# Altium PCB PCB_gravure_x4.PcbDoc (part 2 of 3) (continued)
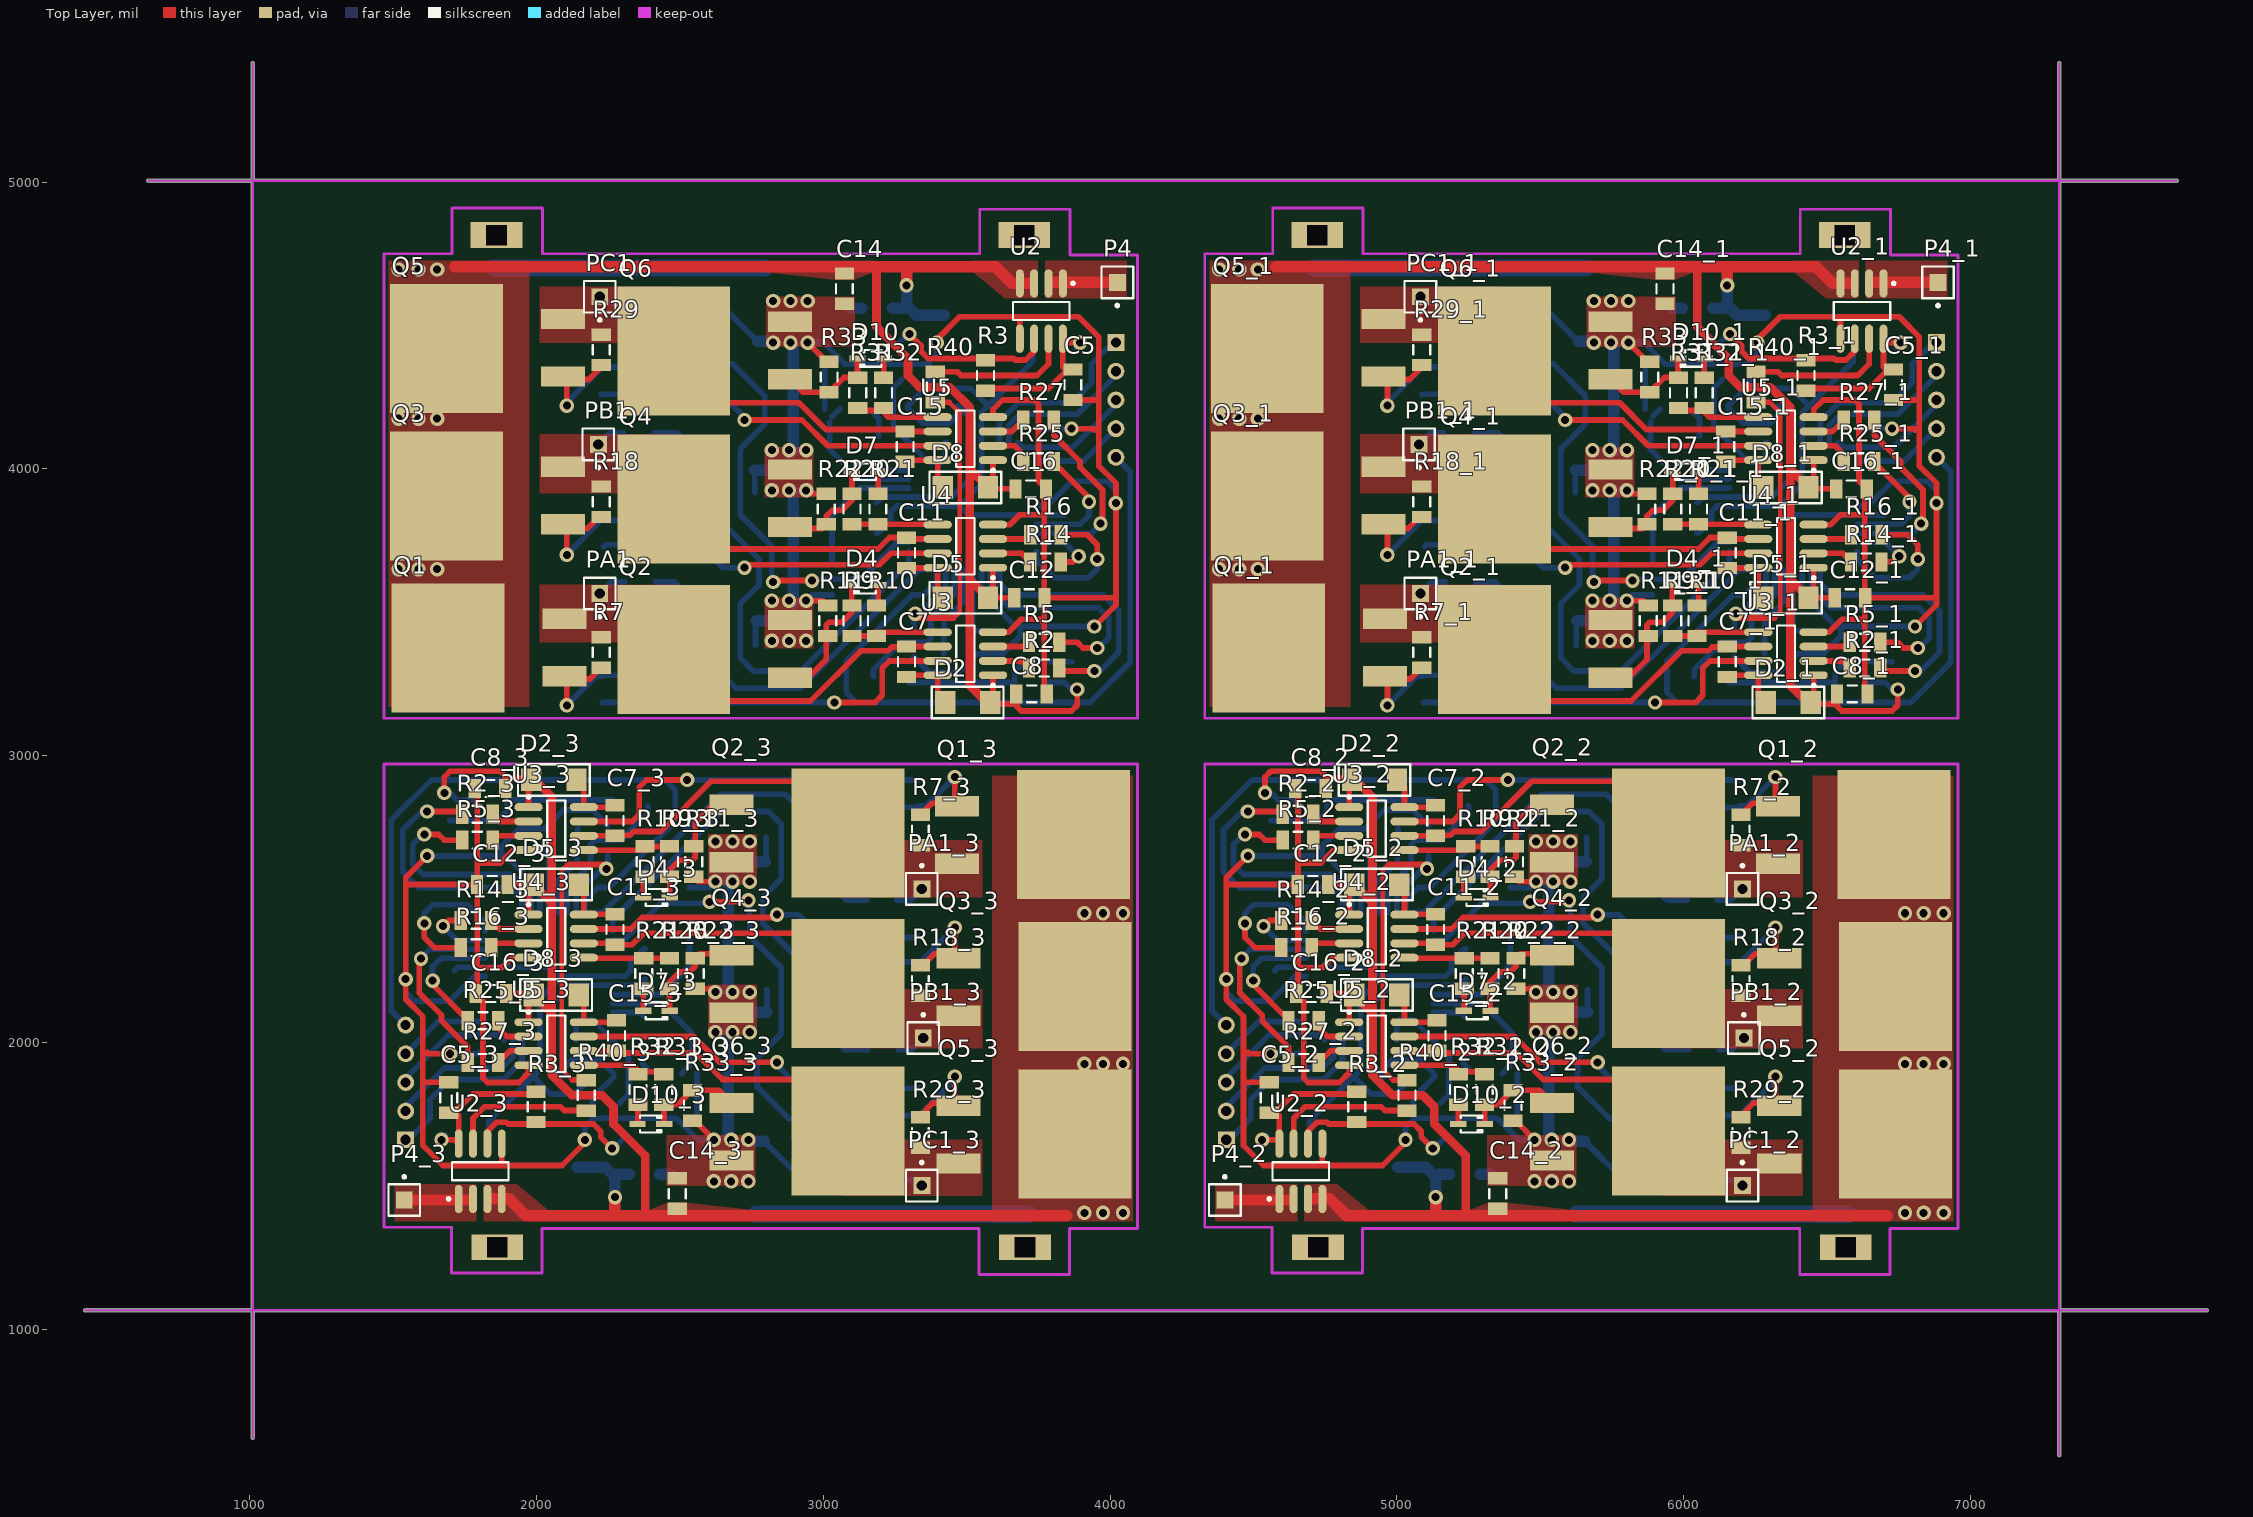
[diagram p0: Top Layer view]
## Nets (pads, with @x,y where several pads share a name; then routed paths per layer and width w, separated by ;. In a path a pad name is that pad's centre, name@x,y a point inside that pad or via, vN(x,y) a via of type N, cw(c..) or ccw(c..) an arc to the next point about the centre after c; other vN are vias at no path point) (continued)
  Bottom Layer w20: 1543.12,1660 1553.12,1660 1628.12,1735 1628.12,1800 1698.12,1870 1883.12,1870 1948.64,1935.51 1948.64,2007.56 ; 1543.12,1760 1543.12,1775 1678.12,1910 1878.12,1910 1917.14,1949.02 1917.14,2007.56 ; 1543.12,1860 1543.12,1875.71 1692.41,2025 1868.2,2025 1885.64,2007.56 ; 1543.12,1960 1655.64,2072.52 1820.68,2072.52 ; 1543.12,2060 1493.12,2110 1493.12,2775 1633.12,2915 2448.12,2915 2483.12,2880 2483.12,2770 2253.12,2540 2213.12,2540 2169.11,2495.98 2169.11,2452.44 ; v1(1543.12,2220) 1543.12,2175 1574.27,2143.85 1696.98,2143.85 1783.12,2230 1820.68,2230 ; v1(1596.53,2291.59) 1596.53,2293.41 1628.12,2325 ; v1@1598.12,2720 1568.12,2690 1568.12,2620 1603.12,2585 1913.12,2585 1980.13,2517.99 1980.13,2452.44 ; v1(1608.12,2415) 1608.12,2450 1638.12,2480 1758.12,2480 1820.68,2417.44 1820.68,2387.48 ; v1(1618.12,2805) 1608.12,2805 1603.12,2810 1533.12,2740 1533.12,2595 1588.12,2540 1908.12,2540 1948.64,2499.49 1948.64,2452.44 ; v1(1618.13,2650.01) 1876.98,2650.01 ; 1628.12,2324.49 1820.68,2324.49 ; v1(1637.12,2215) 1637.12,2264 1666.12,2292.99 1820.68,2292.99 ; v1(1668.12,1660) v1@1683.12,1675 ; v1(1673.12,2405) 1722.14,2355.98 1820.68,2355.98 ; v1(1678.12,2870) 1698.12,2870 1723.12,2845 1789.98,2845 ; v1(1698.12,1960) 1794.28,1960 1799.28,1965 1803.13,1961.15 ; 1698.12,2773.15 1861.27,2773.15 1896.27,2808.15 1896.27,2845 2264.98,2845 ; 1713.12,2250.15 1724.46,2261.5 1820.68,2261.5 2056.63,2261.5 ; 1833.44,1660 1833.44,1725.46 1987.97,1879.99 ; 1973.28,2665 2034.98,2665 2043.12,2656.85 2043.12,2452.44 2043.12,2275 2056.63,2261.5 ; 2011.63,2452.44 2011.63,2531.5 1893.12,2650.01 1876.98,2650.01 ; 2030.05,2746.93 2093.12,2810 2194.28,2810 2248.13,2756.15 ; 2031.98,2745.01 1938.13,2745.01 1876.98,2683.85 1876.98,2650.01 ; 2074.62,2452.44 2074.62,2563.35 2141.27,2630 2141.27,2665 ; v1(2105,3175) 2206.26,3276.26 2230,3276.26 2233.74,3280 2291.85,3280 ; v1(2105,3700) 2226.26,3821.26 2235,3821.26 2236.26,3820 2306.85,3820 ; v1(2105,4220) 2105,4231.26 2225,4351.26 2228.74,4355 2311.85,4355 ; 2106.12,2452.44 2106.12,2537.99 2188.12,2620 2188.12,2690 2203.12,2705 2293.12,2705 2388.12,2800 2388.12,2825 ; 2137.61,2007.56 2137.61,2069.49 ; 2137.61,2452.44 2137.61,2514.49 2228.12,2605 v1(2243.12,2605) 2248.13,2610.01 2248.13,2649.85 ; 2140.53,1565.51 2141.2,1564.84 ; 2143.12,2678.15 2143.12,2745.01 ; 2162.97,1879.99 2162.97,1849.85 2133.12,1820 2047.97,1820 1987.97,1879.99 ; v1(2168.12,1660) 2168.12,1701.14 2195,1728.02 2195,1805.72 2269.27,1879.99 2269.27,1888.85 2218.12,1940 2123.12,1940 2094.27,1911.15 2094.27,1879.99 2043.12,1931.14 2043.12,2007.56 2043.12,2125 2116.63,2198.5 2265.57,2198.5 2357.77,2198.5 2378.12,2218.85 ; 2200.61,2452.44 2230.57,2452.44 2643.12,2865 2868.12,2865 2974.98,2758.15 2974.98,2630 ; 2203.12,1735 2488.12,1735 2563.12,1660 v1(2618.12,1660) ; 2215,4085 2255,4125 2301.85,4125 ; 2220,3565 2260,3605 2306.85,3605 ; 2220,4600 2240.01,4579.99 2308,4579.99 ; 2225,4258.74 2226.26,4260 2311.85,4260 ; 2230,3183.74 2231.26,3185 2291.85,3185 ; 2235,3728.74 2241.26,3735 2306.85,3735 ; 2243.12,2030 2320,1953.12 2320,1818.15 2290,1788.15 ; v1(2263.12,1630) 2268.12,1630 2313.12,1675 ; 2265.57,2104.02 2359.13,2104.02 2370,2093.15 ; 2265.57,2135.51 2437.61,2135.51 2540.62,2032.5 2540.62,1937.5 ; 2265.57,2167.01 2435.13,2167.01 2533.12,2265 2533.12,2292.01 2533.12,2433.85 ; 2265.57,2355.98 2304.11,2355.98 2433.12,2485 v1@2608.12,2485 ; 2265.57,2387.48 2265.57,2427.44 2643.12,2805 2808.12,2805 2853.12,2760 2853.12,2570 2788.12,2505 2788.12,2415 2974.98,2228.15 2974.98,2105 ; 2370,1986.85 2370,1923.9 2395,1898.9 ; 2378.12,2325.15 2373.28,2325.15 2328.12,2280 2328.12,2250 2308.12,2230 2265.57,2230 2088.12,2230 ; 2398.15,3280 2398.15,3185 v1(3038.12,3185) ; 2408.15,4125 2481.85,4125 ; 2413.15,3605 2481.85,3605 ; 2413.15,3820 2413.15,3735 2570,3735 2650,3655 v1(2725,3655) ; 2414.3,4579.99 2486.85,4579.99 ; 2418.15,4355 2418.15,4260 2645,4260 2725,4180 v1(2725,4170) ; 2481.85,3470 2481.85,3605 ; 2481.85,3995 2481.85,4125 ; 2486.85,4445 2486.85,4579.99 ; 2506.28,1891.15 2533.12,1917.99 ; v1(2525,2915) 3164.98,2915 3164.98,2820 ; 2533.12,2540.15 2603.28,2540.15 v1(2623.12,2560) ; 2558.85,1755.01 2558.85,1892.27 ; 2588.15,3470 2588.15,3341.85 2695,3235 2920,3235 3332.56,3647.56 3362.52,3647.56 ; 2588.15,3995 2588.15,3871.85 2775,3685 2775,3595 2710,3530 2710,3340 2755,3295 2920,3295 3297.56,3672.56 3297.56,3712.52 ; 2593.15,4445 2593.15,4409.98 2637.19,4365.94 2684.06,4365.94 2795,4255 2795,4155 2710,4070 2710,3840 2820,3730 2820,3610 v1(2825,3605) ; 2593.15,4579.99 2635.16,4579.99 2770.15,4445.01 ; v1(2603.12,2490) v1@2608.12,2485 ; v1@2618.12,2485 v1@2608.12,2485 ; 2653.85,3917 2653.85,3995.01 2653.85,4031.15 2625,4060 2555,4060 2490,4125 2481.85,4125 ; 2658.85,3387 2658.85,3470.01 2658.85,3506.15 2625,3540 2546.85,3540 2481.85,3605 ; 2663.85,4445.01 2663.85,4501.15 2650,4515 2551.84,4515 2486.85,4579.99 ; v1(2738.12,1660) v1@2743.13,1654.99 ; v1(2738.12,2495) 2743.12,2490 2743.12,2370 2853.12,2260 2853.12,2030 2768.12,1945 2768.12,1845 2879.06,1734.06 2925.94,1734.06 2969.98,1690.02 2969.98,1655 ; 2760.15,3917 2760.15,3995.01 ; 2763.15,3385 2763.15,3468 ; 2792.97,1654.99 2927.96,1520.01 2969.98,1520.01 ; 2799.98,2632 2799.98,2715 ; 2802.97,2104.99 2802.97,2183 ; v1@2819.99,4445.01 v1(2825,4440) ; v1(2838.12,1930) 2838.12,1920 2918.12,1840 3144.98,1840 3144.98,1745 ; v1(2838.12,2445) 2913.12,2445 2993.12,2365 3149.98,2365 3149.98,2280 ; 2899.27,1654.99 2899.27,1598.85 2913.12,1585 3011.28,1585 3076.27,1520.01 ; 2904.27,2713 2904.27,2629.99 2904.27,2593.85 2938.12,2560 3016.27,2560 3081.27,2495 ; 2909.27,2183 2909.27,2104.99 2909.27,2068.85 2938.12,2040 3008.12,2040 3073.12,1975 3081.27,1975 ; v1(2940,3540) 2959.85,3559.85 3030.01,3559.85 ; v1@2945,3615 v1@2955,3615 ; v1(2945,4440) 3000,4440 3075,4365 3360,4365 ; v1(2960,3610) v1@2955,3615 ; 3004.27,4207.73 3004.27,4344.99 ; 3022.5,4162.5 3022.5,4067.5 3125.51,3964.49 3297.56,3964.49 ; 3030,3666.15 3030,3807.99 3030,3835 3127.99,3932.99 3297.56,3932.99 ; 3030,4182.01 3056.84,4208.85 ; 3076.27,1655 3076.27,1520.01 ; 3081.27,2105 3081.27,1975 ; 3081.27,2630 3081.27,2495 ; 3148.83,1520.01 3076.27,1520.01 ; 3149.98,2495 3081.27,2495 ; 3154.98,1975 3081.27,1975 ; 3168.12,4201.1 3193.12,4176.1 3193.12,4113.15 ; 3175,3275 3175,3300 3270,3395 3360,3395 3375,3410 3375,3480 3457.01,3562.01 3457.01,3647.56 ; 3185.01,3774.85 3189.85,3774.85 3235,3820 3235,3850 3255,3870 3297.56,3870 3475,3870 ; 3185.01,3881.15 3205.35,3901.5 3297.56,3901.5 3446.5,3901.5 3520,3975 3520,4092.44 3520,4168.86 3468.85,4220.01 3468.85,4188.85 3440,4160 3345,4160 3293.85,4211.15 3293.85,4220.01 3368.12,4294.28 3368.12,4371.98 3395,4398.86 v1(3395,4440) ; 3193.12,4006.85 3203.99,3995.98 3297.56,3995.98 ; 3250,4425 3295,4470 v1(3300,4470) ; 3251.27,1745 3334.38,1745 3338.12,1748.74 3458.12,1868.74 v1(3458.12,1880) ; 3251.27,1840 3336.87,1840 3338.12,1841.26 ; 3255.13,1520.01 3323.12,1520.01 3343.12,1500 ; 3256.27,2280 3326.87,2280 3328.12,2278.74 3336.87,2278.74 v1(3458.12,2400) ; 3256.27,2365 3321.87,2365 3328.12,2371.26 ; 3256.27,2495 3303.12,2495 3343.12,2535 ; 3261.27,1975 3308.12,1975 3348.12,2015 ; 3271.27,2820 3329.38,2820 3333.12,2823.74 3356.87,2823.74 v1(3458.12,2925) ; 3271.27,2915 3331.87,2915 3333.12,2916.26 ; 3273.12,4311.85 3243.12,4281.85 3243.12,4146.88 3320,4070 ; 3297.56,3744.02 3259.02,3744.02 3130,3615 v1@2955,3615 ; 3298.15,3255 3666.85,3255 3666.85,3291.85 3701.85,3326.85 3865,3326.85 ; 3314.99,3343.85 3368.85,3290 3470,3290 3533.07,3353.07 ; 3314.99,3450.15 3314.99,3489.99 v1(3320,3495) 3335,3495 3425.51,3585.51 3425.51,3647.56 ; 3394.02,3647.56 3394.02,3604.02 3350,3560 3310,3560 3080,3330 3080,3220 3115,3185 3930,3185 4070,3325 4070,3990 4020,4040 ; 3400.15,4220.01 3400.15,4250.15 3430,4280 3515.16,4280 3575.15,4220.01 ; 3420,3354.99 3420,3421.85 ; 3421.85,3435 3421.85,3470 3488.5,3536.65 3488.5,3647.56 ; 3421.93,4535.16 3422.6,4534.49 ; 3425.51,4030.51 3425.51,4092.44 ; 3531.15,3354.99 3624.99,3354.99 3686.15,3416.15 3686.15,3449.99 ; 3551.5,3647.56 3551.5,3568.5 3670.01,3449.99 3686.15,3449.99 ; 3582.99,3647.56 3582.99,3582.01 3650,3515 3960,3515 3995,3480 3995,3410 v1@3965,3380 ; 3589.84,3435 3528.15,3435 3520,3443.15 3520,3647.56 3520,3825 3506.5,3838.5 ; 3614.49,3647.56 3614.49,3600.51 3655,3560 3975,3560 4030,3505 4030,3360 3960,3290 3955,3295 v1(3945,3295) ; 3614.49,4092.44 3614.49,4164.49 3680,4230 3865,4230 3935,4300 3935,4365 4010,4440 4020,4440 ; 3645.98,4092.44 3645.98,4150.98 3685,4190 3885,4190 4020,4325 4020,4340 ; 3677.48,4092.44 3694.92,4075 3870.71,4075 4020,4224.29 4020,4240 ; 3729.68,4440 3729.68,4374.54 3575.15,4220.01 ; 3742.44,3712.52 3742.44,3682.56 3805,3620 3925,3620 3955,3650 v1(3955,3685) ; 3742.44,3744.02 3840.98,3744.02 v1(3890,3695) ; 3742.44,3775.51 3935,3775.51 ; 3742.44,3807.01 3897.01,3807.01 3926,3836 v1(3926,3885) ; 3742.44,3870 3780,3870 3866.15,3956.15 3988.85,3956.15 4020,3925 v1(4020,3880) ; 3742.44,4027.48 3907.48,4027.48 4020,4140 ; 3759.99,4138.85 3763.85,4135 3768.85,4140 v1(3865,4140) ; 3773.15,3255 3840,3255 3865,3230 v1(3885,3230) ; 3850.01,3849.85 3838.66,3838.5 3742.44,3838.5 3506.5,3838.5 ; v1@3880,4425 v1(3895,4440) ; 3935,3775 3966.59,3806.59 v1(3966.59,3808.41) ; v1(3944.99,3449.99) 3686.15,3449.99 ; 4405,1660 4415,1660 4490,1735 4490,1800 4560,1870 4745,1870 4810.51,1935.51 4810.51,2007.56 ; 4405,1760 4405,1775 4540,1910 4740,1910 4779.02,1949.02 4779.02,2007.56 ; 4405,1860 4405,1875.71 4554.29,2025 4730.08,2025 4747.52,2007.56 ; 4405,1960 4517.52,2072.52 4682.56,2072.52 ; 4405,2060 4355,2110 4355,2775 4495,2915 5310,2915 5345,2880 5345,2770 5115,2540 5075,2540 5030.98,2495.98 5030.98,2452.44 ; v1(4405,2220) 4405,2175 4436.15,2143.85 4558.85,2143.85 4645,2230 4682.56,2230 ; v1(4458.41,2291.59) 4458.41,2293.41 4490,2325 ; v1@4460,2720 4430,2690 4430,2620 4465,2585 4775,2585 4842.01,2517.99 4842.01,2452.44 ; v1(4470,2415) 4470,2450 4500,2480 4620,2480 4682.56,2417.44 4682.56,2387.48 ; v1(4480.01,2650.01) 4738.85,2650.01 ; v1(4480,2805) 4470,2805 4465,2810 4395,2740 4395,2595 4450,2540 4770,2540 4810.51,2499.49 4810.51,2452.44 ; 4490,2324.49 4682.56,2324.49 ; v1(4499,2215) 4499,2264 4527.99,2292.99 4682.56,2292.99 ; v1(4530,1660) v1@4545,1675 ; v1(4535,2405) 4584.02,2355.98 4682.56,2355.98 ; v1(4540,2870) 4560,2870 4585,2845 4651.85,2845 ; v1(4560,1960) 4656.15,1960 4661.15,1965 4665.01,1961.15 ; 4560,2773.15 4723.15,2773.15 4758.15,2808.15 4758.15,2845 5126.85,2845 ; 4574.99,2250.15 4586.34,2261.5 4682.56,2261.5 4918.5,2261.5 ; 4695.31,1660 4695.31,1725.46 4849.85,1879.99 ; 4835.16,2665 4896.85,2665 4905,2656.85 4905,2452.44 4905,2275 4918.5,2261.5 ; 4873.5,2452.44 4873.5,2531.5 4754.99,2650.01 4738.85,2650.01 ; 4891.93,2746.93 4955,2810 5056.15,2810 5110.01,2756.15 ; 4893.85,2745.01 4800.01,2745.01 4738.85,2683.85 4738.85,2650.01 ; 4936.5,2452.44 4936.5,2563.35 5003.15,2630 5003.15,2665 ; v1(4966.88,3175) 5068.13,3276.26 5091.88,3276.26 5095.62,3280 5153.73,3280 ; v1(4966.88,3700) 5088.13,3821.26 5096.88,3821.26 5098.13,3820 5168.73,3820 ; v1(4966.88,4220) 4966.88,4231.26 5086.88,4351.26 5090.62,4355 5173.73,4355 ; 4967.99,2452.44 4967.99,2537.99 5050,2620 5050,2690 5065,2705 5155,2705 5250,2800 5250,2825 ; 4999.49,2007.56 4999.49,2069.49 ; 4999.49,2452.44 4999.49,2514.49 5090,2605 v1(5105,2605) 5110.01,2610.01 5110.01,2649.85 ; 5002.4,1565.51 5003.07,1564.84 ; 5005,2678.15 5005,2745.01 ; 5024.85,1879.99 5024.85,1849.85 4995,1820 4909.84,1820 4849.85,1879.99 ; v1(5030,1660) 5030,1701.14 5056.88,1728.02 5056.88,1805.72 5131.15,1879.99 5131.15,1888.85 5080,1940 4985,1940 4956.15,1911.15 4956.15,1879.99 4905,1931.14 4905,2007.56 4905,2125 4978.5,2198.5 5127.44,2198.5 5219.65,2198.5 5239.99,2218.85 ; 5062.48,2452.44 5092.44,2452.44 5505,2865 5730,2865 5836.85,2758.15 5836.85,2630 ; 5065,1735 5350,1735 5425,1660 v1(5480,1660) ; 5076.88,4085 5116.88,4125 5163.73,4125 ; 5081.88,3565 5121.88,3605 5168.73,3605 ; 5081.88,4600 5101.88,4579.99 5169.87,4579.99 ; 5086.88,4258.74 5088.13,4260 5173.73,4260 ; 5091.88,3183.74 5093.13,3185 5153.73,3185 ; 5096.88,3728.74 5103.13,3735 5168.73,3735 ; 5105,2030 5181.88,1953.12 5181.88,1818.15 5151.88,1788.15 ; v1(5125,1630) 5130,1630 5175,1675 ; 5127.44,2104.02 5221.01,2104.02 5231.88,2093.15 ; 5127.44,2135.51 5299.49,2135.51 5402.5,2032.5 5402.5,1937.5 ; 5127.44,2167.01 5297.01,2167.01 5395,2265 5395,2292.01 5395,2433.85 ; 5127.44,2355.98 5165.98,2355.98 5295,2485 v1@5470,2485 ; 5127.44,2387.48 5127.44,2427.44 5505,2805 5670,2805 5715,2760 5715,2570 5650,2505 5650,2415 5836.85,2228.15 5836.85,2105 ; 5231.88,1986.85 5231.88,1923.9 5256.88,1898.9 ; 5239.99,2325.15 5235.15,2325.15 5190,2280 5190,2250 5170,2230 5127.44,2230 4950,2230 ; 5260.02,3280 5260.02,3185 v1(5900,3185) ; 5270.02,4125 5343.73,4125 ; 5275.02,3605 5343.73,3605 ; 5275.02,3820 5275.02,3735 5431.88,3735 5511.88,3655 v1(5586.88,3655) ; 5276.17,4579.99 5348.73,4579.99 ; 5280.02,4355 5280.02,4260 5506.88,4260 5586.88,4180 v1(5586.88,4170) ; 5343.73,3470 5343.73,3605 ; 5343.73,3995 5343.73,4125 ; 5348.73,4445 5348.73,4579.99 ; 5368.16,1891.15 5395,1917.99 ; v1(5386.88,2915) 6026.85,2915 6026.85,2820 ; 5394.99,2540.15 5465.15,2540.15 v1(5485,2560) ; 5420.73,1755.01 5420.73,1892.27 ; 5450.02,3470 5450.02,3341.85 5556.88,3235 5781.88,3235 6194.43,3647.56 6224.39,3647.56 ; 5450.02,3995 5450.02,3871.85 5636.88,3685 5636.88,3595 5571.88,3530 5571.88,3340 5616.88,3295 5781.88,3295 6159.43,3672.56 6159.43,3712.52 ; 5455.02,4445 5455.02,4409.98 5499.06,4365.94 5545.94,4365.94 5656.88,4255 5656.88,4155 5571.88,4070 5571.88,3840 5681.88,3730 5681.88,3610 v1(5686.88,3605) ; 5455.02,4579.99 5497.04,4579.99 5632.03,4445.01 ; v1(5465,2490) v1@5470,2485 ; v1@5480,2485 v1@5470,2485 ; 5515.73,3917 5515.73,3995.01 5515.73,4031.15 5486.88,4060 5416.88,4060 5351.88,4125 5343.73,4125 ; 5520.73,3387 5520.73,3470.01 5520.73,3506.15 5486.88,3540 5408.73,3540 5343.73,3605 ; 5525.73,4445.01 5525.73,4501.15 5511.88,4515 5413.72,4515 5348.73,4579.99 ; v1(5600,1660) v1@5605.01,1654.99 ; v1(5600,2495) 5605,2490 5605,2370 5715,2260 5715,2030 5630,1945 5630,1845 5740.94,1734.06 5787.81,1734.06 5831.85,1690.02 5831.85,1655 ; 5622.03,3917 5622.03,3995.01 ; 5625.02,3385 5625.02,3468 ; 5654.85,1654.99 5789.84,1520.01 5831.85,1520.01 ; 5661.85,2632 5661.85,2715 ; 5664.85,2104.99 5664.85,2183 ; v1@5681.87,4445.01 v1(5686.88,4440) ; v1(5700,1930) 5700,1920 5780,1840 6006.85,1840 6006.85,1745 ; v1(5700,2445) 5775,2445 5855,2365 6011.85,2365 6011.85,2280 ; 5761.15,1654.99 5761.15,1598.85 5775,1585 5873.16,1585 5938.15,1520.01 ; 5766.15,2713 5766.15,2629.99 5766.15,2593.85 5800,2560 5878.15,2560 5943.15,2495 ; 5771.15,2183 5771.15,2104.99 5771.15,2068.85 5800,2040 5870,2040 5935,1975 5943.15,1975 ; v1(5801.88,3540) 5821.72,3559.85 5891.88,3559.85 ; v1@5806.88,3615 v1@5816.88,3615 ; v1(5806.88,4440) 5861.88,4440 5936.88,4365 6221.88,4365 ; v1(5821.88,3610) v1@5816.88,3615 ; 5866.15,4207.73 5866.15,4344.99 ; 5884.38,4162.5 5884.38,4067.5 5987.39,3964.49 6159.43,3964.49 ; 5891.88,3666.15 5891.88,3807.99 5891.88,3835 5989.87,3932.99 6159.43,3932.99 ; 5891.88,4182.01 5918.72,4208.85 ; 5938.15,1655 5938.15,1520.01 ; 5943.15,2105 5943.15,1975 ; 5943.15,2630 5943.15,2495 ; 6010.7,1520.01 5938.15,1520.01 ; 6011.85,2495 5943.15,2495 ; 6016.85,1975 5943.15,1975 ; 6030,4201.1 6055,4176.1 6055,4113.15 ; 6036.88,3275 6036.88,3300 6131.88,3395 6221.88,3395 6236.88,3410 6236.88,3480 6318.88,3562.01 6318.88,3647.56 ; 6046.88,3774.85 6051.72,3774.85 6096.88,3820 6096.88,3850 6116.88,3870 6159.43,3870 6336.88,3870 ; 6046.88,3881.15 6067.23,3901.5 6159.43,3901.5 6308.37,3901.5 6381.88,3975 6381.88,4092.44 6381.88,4168.86 6330.73,4220.01 6330.73,4188.85 6301.88,4160 6206.88,4160 6155.73,4211.15 6155.73,4220.01 6230,4294.28 6230,4371.98 6256.88,4398.86 v1(6256.88,4440) ; 6055,4006.85 6065.87,3995.98 6159.43,3995.98 ; 6111.88,4425 6156.88,4470 v1(6161.88,4470) ; 6113.15,1745 6196.26,1745 6200,1748.74 6320,1868.74 v1(6320,1880) ; 6113.15,1840 6198.74,1840 6200,1841.26 ; 6117,1520.01 6184.99,1520.01 6205,1500 ; 6118.15,2280 6188.74,2280 6190,2278.74 6198.74,2278.74 v1(6320,2400) ; 6118.15,2365 6183.74,2365 6190,2371.26 ; 6118.15,2495 6165,2495 6205,2535 ; 6123.15,1975 6170,1975 6210,2015 ; 6133.15,2820 6191.26,2820 6195,2823.74 6218.74,2823.74 v1(6320,2925) ; 6133.15,2915 6193.74,2915 6195,2916.26 ; 6135,4311.85 6105,4281.85 6105,4146.88 6181.88,4070 ; 6159.43,3744.02 6120.89,3744.02 5991.88,3615 v1@5816.88,3615 ; 6160.02,3255 6528.73,3255 6528.73,3291.85 6563.73,3326.85 6726.88,3326.85 ; 6176.87,3343.85 6230.72,3290 6331.88,3290 6394.95,3353.07 ; 6176.87,3450.15 6176.87,3489.99 v1(6181.88,3495) 6196.88,3495 6287.39,3585.51 6287.39,3647.56 ; 6255.89,3647.56 6255.89,3604.02 6211.88,3560 6171.88,3560 5941.88,3330 5941.88,3220 5976.88,3185 6791.88,3185 6931.88,3325 6931.88,3990 6881.88,4040 ; 6262.03,4220.01 6262.03,4250.15 6291.88,4280 6377.03,4280 6437.03,4220.01 ; 6281.88,3354.99 6281.88,3421.85 ; 6283.73,3435 6283.73,3470 6350.38,3536.65 6350.38,3647.56 ; 6283.8,4535.16 6284.47,4534.49 ; 6287.39,4030.51 6287.39,4092.44 ; 6393.02,3354.99 6486.87,3354.99 6548.02,3416.15 6548.02,3449.99 ; 6413.37,3647.56 6413.37,3568.5 6531.88,3449.99 6548.02,3449.99 ; 6444.87,3647.56 6444.87,3582.01 6511.88,3515 6821.88,3515 6856.88,3480 6856.88,3410 v1@6826.88,3380 ; 6451.72,3435 6390.02,3435 6381.88,3443.15 6381.88,3647.56 6381.88,3825 6368.37,3838.5 ; 6476.36,3647.56 6476.36,3600.51 6516.88,3560 6836.88,3560 6891.88,3505 6891.88,3360 6821.88,3290 6816.88,3295 v1(6806.88,3295) ; 6476.36,4092.44 6476.36,4164.49 6541.88,4230 6726.88,4230 6796.88,4300 6796.88,4365 6871.88,4440 6881.88,4440 ; 6507.86,4092.44 6507.86,4150.98 6546.88,4190 6746.88,4190 6881.88,4325 6881.88,4340 ; 6539.36,4092.44 6556.8,4075 6732.59,4075 6881.88,4224.29 6881.88,4240 ; 6591.56,4440 6591.56,4374.54 6437.03,4220.01 ; 6604.32,3712.52 6604.32,3682.56 6666.88,3620 6786.88,3620 6816.88,3650 v1(6816.88,3685) ; 6604.32,3744.02 6702.86,3744.02 v1(6751.88,3695) ; 6604.32,3775.51 6796.88,3775.51 ; 6604.32,3807.01 6758.88,3807.01 6787.88,3836 v1(6787.88,3885) ; 6604.32,3870 6641.88,3870 6728.02,3956.15 6850.73,3956.15 6881.88,3925 v1(6881.88,3880) ; 6604.32,4027.48 6769.36,4027.48 6881.88,4140 ; 6621.87,4138.85 6625.72,4135 6630.72,4140 v1(6726.88,4140) ; 6635.02,3255 6701.88,3255 6726.88,3230 v1(6746.88,3230) ; 6711.88,3849.85 6700.54,3838.5 6604.32,3838.5 6368.37,3838.5 ; v1@6741.88,4425 v1(6756.88,4440) ; 6796.88,3775 6828.47,3806.59 v1(6828.47,3808.41) ; v1(6806.87,3449.99) 6548.02,3449.99 ; 1987.97,1879.99 2011.63,1903.65 2011.63,2007.56 2011.63,2153.5 2088.12,2230 ; 2056.63,2261.5 2088.12,2230 ; 3475,3870 3551.5,3946.5 3551.5,4092.44 3551.5,4196.35 3575.15,4220.01 ; 3475,3870 3506.5,3838.5 ; 4849.85,1879.99 4873.5,1903.65 4873.5,2007.56 4873.5,2153.5 4950,2230 ; 4918.5,2261.5 4950,2230 ; 6336.88,3870 6413.37,3946.5 6413.37,4092.44 6413.37,4196.35 6437.03,4220.01 ; 6336.88,3870 6368.37,3838.5
  Bottom Layer w40: 2141.2,1564.84 2238.12,1564.84 2273.12,1529.84 ; v1(2273.12,1460) 2273.12,1529.84 ; 2322.97,1539.99 2283.28,1539.99 2273.12,1529.84 ; 2429.27,1539.99 2468.12,1539.99 ; v1@2668.12,1665 v1@2668.12,2040 ; v1@2668.12,2175 v1@2668.12,2570 ; 2683.13,2104.99 2802.97,2104.99 ; 2733.12,2629.99 2797.97,2629.99 ; v1@2743.13,1654.99 2792.97,1654.99 ; 2760.15,3995.01 2879.99,3995.01 ; 2765.15,3470.01 2830.01,3470.01 ; 2770.15,4445.01 v1@2819.99,4445.01 ; v1@2895,3530 v1@2895,3925 ; v1@2895,4060 v1@2895,4435 ; 3095.01,4560.01 3133.85,4560.01 ; 3240.15,4560.01 3279.85,4560.01 3290,4570.16 ; v1(3290,4640) 3290,4570.16 ; 3421.93,4535.16 3325,4535.16 3290,4570.16 ; 5003.07,1564.84 5100,1564.84 5135,1529.84 ; v1(5135,1460) 5135,1529.84 ; 5184.85,1539.99 5145.15,1539.99 5135,1529.84 ; 5291.15,1539.99 5329.99,1539.99 ; v1@5530,1665 v1@5530,2040 ; v1@5530,2175 v1@5530,2570 ; 5545.01,2104.99 5664.85,2104.99 ; 5594.99,2629.99 5659.85,2629.99 ; v1@5605.01,1654.99 5654.85,1654.99 ; 5622.03,3995.01 5741.87,3995.01 ; 5627.03,3470.01 5691.88,3470.01 ; 5632.03,4445.01 v1@5681.87,4445.01 ; v1@5756.88,3530 v1@5756.88,3925 ; v1@5756.88,4060 v1@5756.88,4435 ; 5956.88,4560.01 5995.73,4560.01 ; 6102.03,4560.01 6141.72,4560.01 6151.88,4570.16 ; v1(6151.88,4640) 6151.88,4570.16 ; 6283.8,4535.16 6186.88,4535.16 6151.88,4570.16
  Bottom Layer w60: 1848.12,4700 2798.12,4700 ; 2765,1400 3715,1400 ; 4710,4700 5660,4700 ; 5626.88,1400 6576.88,1400
  other v1: 3910,1405 3975,1405 4045,1405 6771.88,1405 6836.88,1405 6906.88,1405 2618.12,1515 2678.12,1515 2738.12,1515 5480,1515 5540,1515 5600,1515 2678.12,1660 5540,1660 3910,1925 3975,1925 4045,1925 6771.88,1925 6836.88,1925 6906.88,1925 2623.12,2035 2683.12,2035 2743.12,2035 5485,2035 5545,2035 5605,2035 2683.12,2175 2743.12,2175 5545,2175 5605,2175 3910,2450 3975,2450 4045,2450 6771.88,2450 6836.88,2450 6906.88,2450 2683.12,2560 2743.12,2560 5545,2560 5605,2560 2623.12,2700 2683.12,2700 2743.12,2700 5485,2700 5545,2700 5605,2700 2820,3400 2880,3400 2940,3400 5681.88,3400 5741.88,3400 5801.88,3400 2820,3540 2880,3540 5681.88,3540 5741.88,3540 1518.12,3650 1588.12,3650 1653.12,3650 4380,3650 4450,3650 4515,3650 2820,3925 2880,3925 5681.88,3925 5741.88,3925 2820,4065 2880,4065 2940,4065 5681.88,4065 5741.88,4065 5801.88,4065 1518.12,4175 1588.12,4175 1653.12,4175 4380,4175 4450,4175 4515,4175 2885,4440 5746.88,4440 2825,4585 2885,4585 2945,4585 5686.88,4585 5746.88,4585 5806.88,4585 1518.12,4695 1588.12,4695 1653.12,4695 4380,4695 4450,4695 4515,4695

## Polygon pours and split planes (outlines as drawn)
no net on Bottom Layer "Bottom Layer-No Net" (solid, remove dead copper, pour order 106): 2453.12,1675 2763.12,1675 2763.13,1370 2453.12,1370
no net on Bottom Layer "Bottom Layer-No Net" (solid, remove dead copper, pour order 104): 2598.12,2200 2768.12,2200 2768.12,2025 2598.12,2025
no net on Bottom Layer "Bottom Layer-No Net" (solid, remove dead copper, pour order 102): 2598.12,2725 2768.12,2725 2768.12,2550 2598.12,2550
no net on Bottom Layer "Bottom Layer-No Net" (solid, remove dead copper, pour order 100): 1683.12,1810 2018.12,1810 2038.12,1790 2038.12,1495 2198.12,1495 2198.12,1375 2000,1375 2000,1210 1720,1210 1720,1375 1503.12,1375 1503.12,1610 1598.12,1610 1598.12,1655 1618.12,1675 1658.12,1715 1658.12,1790 1678.12,1810
no net on Bottom Layer "Bottom Layer-No Net" (solid, remove dead copper, pour order 98): 3760,1370 3590,1370 3590,2510 3760,2510
no net on Bottom Layer "Bottom Layer-No Net" (solid, remove dead copper, pour order 96): 3870,1370 4080,1370 4080,2510 3870,2510
no net on Bottom Layer "Bottom Layer-No Net" (solid, remove dead copper, pour order 74): 5315,1675 5625,1675 5625,1370 5315,1370
no net on Bottom Layer "Bottom Layer-No Net" (solid, remove dead copper, pour order 72): 5460,2200 5630,2200 5630,2025 5460,2025
no net on Bottom Layer "Bottom Layer-No Net" (solid, remove dead copper, pour order 70): 5460,2725 5630,2725 5630,2550 5460,2550
no net on Bottom Layer "Bottom Layer-No Net" (solid, remove dead copper, pour order 68): 4545,1810 4880,1810 4900,1790 4900,1495 5060,1495 5060,1375 4861.88,1375 4861.88,1210 4581.88,1210 4581.88,1375 4365,1375 4365,1610 4460,1610 4460,1655 4480,1675 4520,1715 4520,1790 4540,1810
no net on Bottom Layer "Bottom Layer-No Net" (solid, remove dead copper, pour order 66): 6621.88,1370 6451.88,1370 6451.88,2510 6621.88,2510
no net on Bottom Layer "Bottom Layer-No Net" (solid, remove dead copper, pour order 64): 6731.88,1370 6941.88,1370 6941.88,2510 6731.88,2510
no net on Bottom Layer "Bottom Layer-No Net" (solid, remove dead copper, pour order 42): 5971.88,4425 5661.88,4425 5661.87,4730 5971.88,4730
no net on Bottom Layer "Bottom Layer-No Net" (solid, remove dead copper, pour order 40): 5826.88,3900 5656.88,3900 5656.88,4075 5826.88,4075
no net on Bottom Layer "Bottom Layer-No Net" (solid, remove dead copper, pour order 38): 5826.88,3375 5656.88,3375 5656.88,3550 5826.88,3550
no net on Bottom Layer "Bottom Layer-No Net" (solid, remove dead copper, pour order 36): 6741.88,4290 6406.88,4290 6386.88,4310 6386.88,4605 6226.88,4605 6226.88,4725 6425,4725 6425,4890 6705,4890 6705,4725 6921.88,4725 6921.88,4490 6826.88,4490 6826.88,4445 6806.88,4425 6766.88,4385 6766.88,4310 6746.88,4290
no net on Bottom Layer "Bottom Layer-No Net" (solid, remove dead copper, pour order 34): 4665,4730 4835,4730 4835,3590 4665,3590
no net on Bottom Layer "Bottom Layer-No Net" (solid, remove dead copper, pour order 32): 4555,4730 4345,4730 4345,3590 4555,3590
no net on Bottom Layer "Bottom Layer-No Net" (solid, remove dead copper, pour order 10): 3110,4425 2800,4425 2800,4730 3110,4730
no net on Bottom Layer "Bottom Layer-No Net" (solid, remove dead copper, pour order 8): 2965,3900 2795,3900 2795,4075 2965,4075
no net on Bottom Layer "Bottom Layer-No Net" (solid, remove dead copper, pour order 6): 2965,3375 2795,3375 2795,3550 2965,3550
no net on Bottom Layer "Bottom Layer-No Net" (solid, remove dead copper, pour order 4): 3880,4290 3545,4290 3525,4310 3525,4605 3365,4605 3365,4725 3563.12,4725 3563.12,4890 3843.12,4890 3843.12,4725 4060,4725 4060,4490 3965,4490 3965,4445 3945,4425 3905,4385 3905,4310 3885,4290
no net on Bottom Layer "Bottom Layer-No Net" (solid, remove dead copper, pour order 2): 1803.12,4730 1973.12,4730 1973.12,3590 1803.12,3590
no net on Bottom Layer "Bottom Layer-No Net" (solid, remove dead copper, pour order 0): 1693.12,4730 1483.12,4730 1483.12,3590 1693.12,3590
no net on Top Layer "Bottom Layer-No Net" (solid, remove dead copper, pour order 126): 3068.12,2705 3553.12,2705 3553.12,2505 3068.12,2505
no net on Top Layer "Bottom Layer-No Net" (solid, remove dead copper, pour order 124): 3068.12,2185 3553.12,2185 3553.12,1980 3068.12,1980
no net on Top Layer "Bottom Layer-No Net" (solid, remove dead copper, pour order 122): 3068.12,1660 3553.12,1660 3553.12,1465 3068.12,1465
no net on Top Layer "Bottom Layer-No Net" (solid, remove dead copper, pour order 120): 2453.12,1675 2763.12,1675 2763.12,1500 2453.12,1500
no net on Top Layer "Bottom Layer-No Net" (solid, remove dead copper, pour order 118): 2598.12,2200 2768.12,2200 2768.12,2025 2598.12,2025
no net on Top Layer "Bottom Layer-No Net" (solid, remove dead copper, pour order 116): 2598.12,2725 2768.12,2725 2768.12,2550 2598.12,2550
no net on Top Layer "Bottom Layer-No Net" (solid, remove dead copper, pour order 114): 3588.12,2930 4078.12,2930 4078.12,1375 3588.12,1375
no net on Top Layer "Bottom Layer-No Net" (solid, remove dead copper, pour order 112): 2390,1415 2455,1440 2525,1440 2763.12,1415 2763.12,1375 2390,1375
no net on Top Layer "Bottom Layer-No Net" (solid, remove dead copper, pour order 110): 1790,1375 1715,1375 1703.12,1375 1680,1375 1505,1375 1505,1505 1710,1505 1790,1505 1790,1405
no net on Top Layer "Bottom Layer-No Net" (solid, remove dead copper, pour order 108): 1815,1405 1815,1505 1930,1505 2040,1415 2040,1375 1815,1375
no net on Top Layer "Bottom Layer-No Net" (solid, remove dead copper, pour order 94): 5930,2705 6415,2705 6415,2505 5930,2505
no net on Top Layer "Bottom Layer-No Net" (solid, remove dead copper, pour order 92): 5930,2185 6415,2185 6415,1980 5930,1980
no net on Top Layer "Bottom Layer-No Net" (solid, remove dead copper, pour order 90): 5930,1660 6415,1660 6415,1465 5930,1465
no net on Top Layer "Bottom Layer-No Net" (solid, remove dead copper, pour order 88): 5315,1675 5625,1675 5625,1500 5315,1500
no net on Top Layer "Bottom Layer-No Net" (solid, remove dead copper, pour order 86): 5460,2200 5630,2200 5630,2025 5460,2025
no net on Top Layer "Bottom Layer-No Net" (solid, remove dead copper, pour order 84): 5460,2725 5630,2725 5630,2550 5460,2550
no net on Top Layer "Bottom Layer-No Net" (solid, remove dead copper, pour order 82): 6450,2930 6940,2930 6940,1375 6450,1375
no net on Top Layer "Bottom Layer-No Net" (solid, remove dead copper, pour order 80): 5251.88,1415 5316.88,1440 5386.88,1440 5625,1415 5625,1375 5251.88,1375
no net on Top Layer "Bottom Layer-No Net" (solid, remove dead copper, pour order 78): 4651.88,1375 4576.88,1375 4565,1375 4541.88,1375 4366.88,1375 4366.88,1505 4571.88,1505 4651.88,1505 4651.88,1405
no net on Top Layer "Bottom Layer-No Net" (solid, remove dead copper, pour order 76): 4676.88,1405 4676.88,1505 4791.88,1505 4901.88,1415 4901.88,1375 4676.88,1375
no net on Top Layer "Bottom Layer-No Net" (solid, remove dead copper, pour order 62): 5356.88,3395 4871.88,3395 4871.88,3595 5356.88,3595
no net on Top Layer "Bottom Layer-No Net" (solid, remove dead copper, pour order 60): 5356.88,3915 4871.88,3915 4871.88,4120 5356.88,4120
no net on Top Layer "Bottom Layer-No Net" (solid, remove dead copper, pour order 58): 5356.88,4440 4871.88,4440 4871.88,4635 5356.88,4635
no net on Top Layer "Bottom Layer-No Net" (solid, remove dead copper, pour order 56): 5971.88,4425 5661.88,4425 5661.88,4600 5971.88,4600
no net on Top Layer "Bottom Layer-No Net" (solid, remove dead copper, pour order 54): 5826.88,3900 5656.88,3900 5656.88,4075 5826.88,4075
no net on Top Layer "Bottom Layer-No Net" (solid, remove dead copper, pour order 52): 5826.88,3375 5656.88,3375 5656.88,3550 5826.88,3550
no net on Top Layer "Bottom Layer-No Net" (solid, remove dead copper, pour order 50): 4836.88,3170 4346.88,3170 4346.88,4725 4836.88,4725
no net on Top Layer "Bottom Layer-No Net" (solid, remove dead copper, pour order 48): 6035,4685 5970,4660 5900,4660 5661.88,4685 5661.88,4725 6035,4725
no net on Top Layer "Bottom Layer-No Net" (solid, remove dead copper, pour order 46): 6635,4725 6710,4725 6721.88,4725 6745,4725 6920,4725 6920,4595 6715,4595 6635,4595 6635,4695
no net on Top Layer "Bottom Layer-No Net" (solid, remove dead copper, pour order 44): 6610,4695 6610,4595 6495,4595 6385,4685 6385,4725 6610,4725
no net on Top Layer "Bottom Layer-No Net" (solid, remove dead copper, pour order 30): 2495,3395 2010,3395 2010,3595 2495,3595
no net on Top Layer "Bottom Layer-No Net" (solid, remove dead copper, pour order 28): 2495,3915 2010,3915 2010,4120 2495,4120
no net on Top Layer "Bottom Layer-No Net" (solid, remove dead copper, pour order 26): 2495,4440 2010,4440 2010,4635 2495,4635
no net on Top Layer "Bottom Layer-No Net" (solid, remove dead copper, pour order 24): 3110,4425 2800,4425 2800,4600 3110,4600
no net on Top Layer "Bottom Layer-No Net" (solid, remove dead copper, pour order 22): 2965,3900 2795,3900 2795,4075 2965,4075
no net on Top Layer "Bottom Layer-No Net" (solid, remove dead copper, pour order 20): 2965,3375 2795,3375 2795,3550 2965,3550
no net on Top Layer "Bottom Layer-No Net" (solid, remove dead copper, pour order 18): 1975,3170 1485,3170 1485,4725 1975,4725
no net on Top Layer "Bottom Layer-No Net" (solid, remove dead copper, pour order 16): 3173.12,4685 3108.12,4660 3038.12,4660 2800,4685 2800,4725 3173.12,4725
no net on Top Layer "Bottom Layer-No Net" (solid, remove dead copper, pour order 14): 3773.12,4725 3848.12,4725 3860,4725 3883.12,4725 4058.12,4725 4058.12,4595 3853.12,4595 3773.12,4595 3773.12,4695
no net on Top Layer "Bottom Layer-No Net" (solid, remove dead copper, pour order 12): 3748.12,4695 3748.12,4595 3633.12,4595 3523.12,4685 3523.12,4725 3748.12,4725